# Altium PCB HAL.PcbDoc (continued)
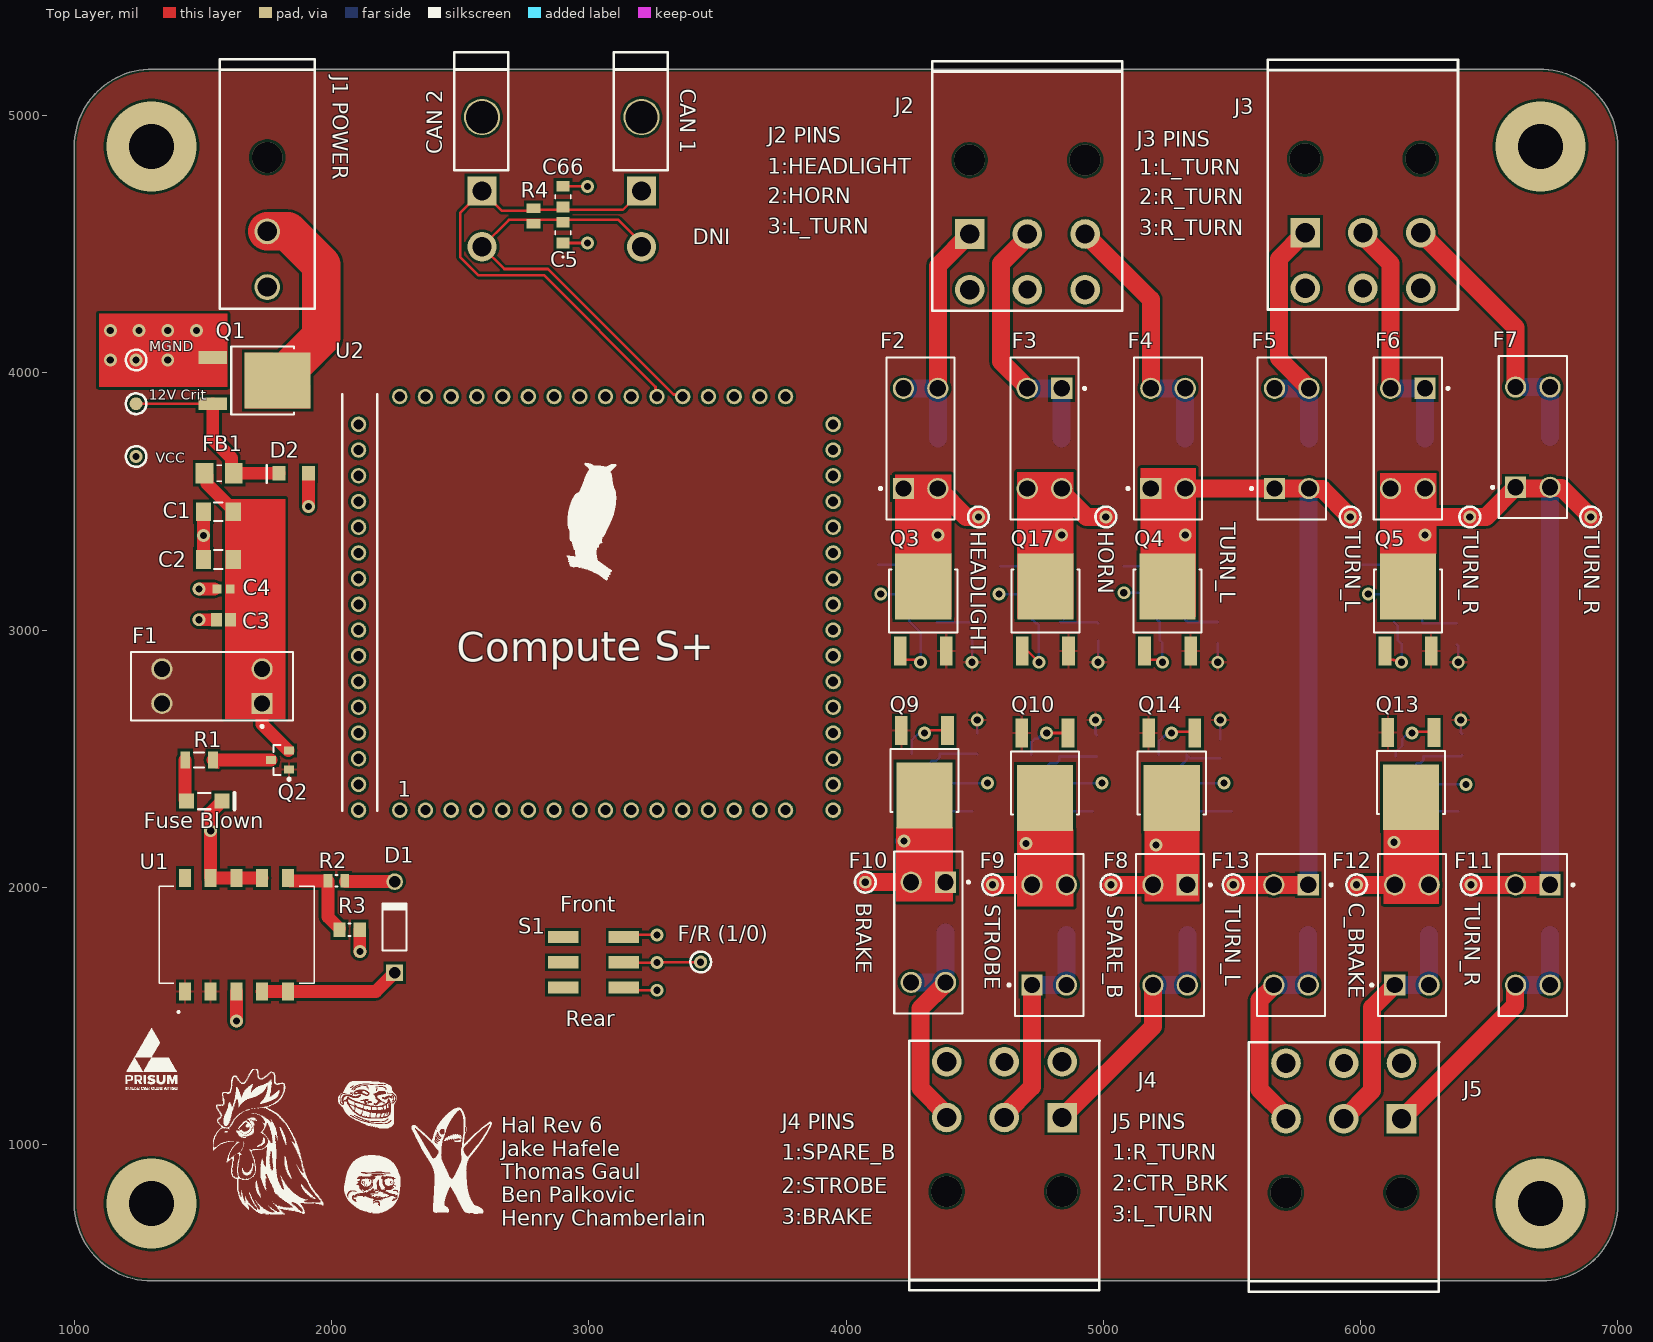
[diagram p0: Top Layer view]
## Components (designator, comment, footprint, x,y, rotation, side; value= is the part's Value field where it differs from the comment) (continued)
HORN "TURN_SIGNAL_R" EPAD 5010,3440 r0 top (schematic designator E9)
"J1 POWER" "12V_Main" MEGA_2P_2x1 1750,4333.46 r90 top (schematic designator J1)
J2 "FRONT" "PCBComponent_1 - duplicate" 4147.13,4209.69 r180 top
J3 "FRONT" "PCBComponent_1 - duplicate" 5451.54,4214.69 r180 top
J4 "BACK" "PCBComponent_1 - duplicate" 5173.46,1435.32 r0 top
J5 "BACK" "PCBComponent_1 - duplicate" 6492.87,1430.32 r0 top
MGND "MGND" EPAD 1240,4050 r0 top
Q1 "FDD4141" FP-369AS-MFG 1732.42,3970 r270 top
Q2 "IRLML6402TRPBF" INTR-SOT-23-3_V 1800,2495 r90 top
Q3 "FDD4141" FP-369AS-MFG 4300,3112.42 r0 top
Q4 "FDD4141" FP-369AS-MFG 5250,3112.42 r0 top
Q5 "FDD4141" FP-369AS-MFG 6185,3112.42 r0 top
Q6 "NTR4501NT1G" ONSC-SOT-23-3-318-08_V 4375,3210.75 r270 bottom
Q7 "NTR4501NT1G" ONSC-SOT-23-3-318-08_V 5307.6,3210.75 r270 bottom
Q8 "NTR4501NT1G" ONSC-SOT-23-3-318-08_V 6245,3210.75 r270 bottom
Q9 "FDD4141" FP-369AS-MFG 4305,2415 r180 top
Q10 "FDD4141" FP-369AS-MFG 4773.03,2405 r180 top
Q11 "NTR4501NT1G" ONSC-SOT-23-3-318-08_V 4257.4,2335.12 r90 bottom
Q12 "NTR4501NT1G" ONSC-SOT-23-3-318-08_V 4727.6,2335.12 r90 bottom
Q13 "FDD4141" FP-369AS-MFG 6196.06,2407.58 r180 top
Q14 "FDD4141" FP-369AS-MFG 5266.06,2405 r180 top
Q15 "NTR4501NT1G" ONSC-SOT-23-3-318-08_V 6150,2335.12 r90 bottom
Q16 "NTR4501NT1G" ONSC-SOT-23-3-318-08_V 5227.4,2335.12 r90 bottom
Q17 "FDD4141" FP-369AS-MFG 4775,3112.42 r0 top
Q18 "NTR4501NT1G" ONSC-SOT-23-3-318-08_V 4840,3210.75 r270 bottom
R1 "1k" RESC3216X70X40LL20T20 1485,2495 r180 top
R2 "33k" RESC2013X50X30LL20T20 2018.74,2025 r0 top
R3 "8.66k" RESC2013X60X35ML10T20 2070,1835 r180 top
R4 "120 Ohmn" RESC2013X50X40LL20T20 2785,4610 r90 top
R5 "10k" FP-RMCF0805-MFG 4485,2985 r270 bottom
R6 "10k" FP-RMCF0805-MFG 5445,2985 r270 bottom
R7 "10k" FP-RMCF0805-MFG 6375,2985 r270 bottom
R8 "1k" RESC3216X70X40LL20T20 4299.13,3030 r180 bottom
R9 "1k" RESC3216X70X40LL20T20 5260,3030 r180 bottom
R10 "1k" RESC3216X70X40LL20T20 6185.87,3030 r180 bottom
R11 "1k" RESC3216X70X40LL20T20 4235,3195 r90 bottom
R12 "1k" RESC3216X70X40LL20T20 5180,3195 r90 bottom
R13 "1k" RESC3216X70X40LL20T20 6115,3195 r90 bottom
R14 "10k" FP-RMCF0805-MFG 4251.34,3369.45 r0 bottom
R15 "10k" FP-RMCF0805-MFG 5193.66,3369.45 r0 bottom
R16 "10k" FP-RMCF0805-MFG 6133.66,3369.45 r0 bottom
R17 "10k" FP-RMCF0805-MFG 4975,2545 r90 bottom
R18 "10k" FP-RMCF0805-MFG 4510,2545 r90 bottom
R19 "1k" RESC3216X70X40LL20T20 4310,2510 r180 bottom
R20 "1k" RESC3216X70X40LL20T20 4775,2510 r180 bottom
R21 "1k" RESC3216X70X40LL20T20 4375,2350.87 r270 bottom
R22 "1k" RESC3216X70X40LL20T20 4845,2350.87 r270 bottom
R23 "10k" FP-RMCF0805-MFG 4328.66,2180 r180 bottom
R24 "10k" FP-RMCF0805-MFG 4805,2170 r180 bottom
R25 "10k" FP-RMCF0805-MFG 6395,2545 r90 bottom
R26 "10k" FP-RMCF0805-MFG 5450,2545 r90 bottom
R27 "1k" RESC3216X70X40LL20T20 6190.87,2510 r180 bottom
R28 "1k" RESC3216X70X40LL20T20 5270,2510 r180 bottom
R29 "1k" RESC3216X70X40LL20T20 6265,2350.87 r270 bottom
R30 "1k" RESC3216X70X40LL20T20 5345,2350.87 r270 bottom
R31 "10k" FP-RMCF0805-MFG 6253.66,2175 r180 bottom
R32 "10k" FP-RMCF0805-MFG 5323.66,2170 r180 bottom
R33 "10k" FP-RMCF0805-MFG 4980,2985 r270 bottom
R34 "1k" RESC3216X70X40LL20T20 4779.13,3030 r180 bottom
R35 "1k" RESC3216X70X40LL20T20 4710,3195 r90 bottom
R36 "10k" FP-RMCF0805-MFG 4730,3369.45 r0 bottom
R37 "CRCW06031M00FKEA" 0603_B 4125,3280 r270 bottom value=1M
R38 "CRCW06031M00FKEA" 0603_B 5080,3280 r270 bottom value=1M
R39 "CRCW06031M00FKEA" 0603_B 6000,3280 r270 bottom value=1M
R40 "CRCW06031M00FKEA" 0603_B 4490,2265 r90 bottom value=1M
R41 "CRCW06031M00FKEA" 0603_B 4960,2265 r90 bottom value=1M
R42 "CRCW06031M00FKEA" 0603_B 6380,2265 r90 bottom value=1M
R43 "CRCW06031M00FKEA" 0603_B 5500,2265 r90 bottom value=1M
R44 "CRCW06031M00FKEA" 0603_B 4600,3280 r270 bottom value=1M
S1 "Slide Switch" "DPDT Switch" 3018.11,1708.43 r270 top
SPARE_B "SPARE_B" EPAD 5030,2009.88 r0 top (schematic designator E15)
STROBE "STROBE" EPAD 4570,2009.88 r0 top (schematic designator E16)
TURN_L "TURN_SIGNAL_L" EPAD 5960,3440 r0 top (schematic designator E21)
TURN_L "TURN_SIGNAL_L" EPAD 5505,2009.88 r0 top (schematic designator E12)
TURN_R "TURN_SIGNAL_R" EPAD 6430,2009.88 r0 top (schematic designator E14)
TURN_R "HORN" EPAD 6425,3440 r0 top (schematic designator E13)
TURN_R "TURN_SIGNAL_R" EPAD 6895,3440 r0 top (schematic designator E19)
U1 "5v Switching Reg" 10-SMD 1630,1815.47 r90 top
U2 "S+" "Compute S+" 2265,2300 r0 top
VCC "VCC" EPAD 1240,3675 r0 top

## Footprints (in the part's own frame and the unit in brackets; to place one, negate y for a bottom-side part, rotate by r counter-clockwise, add the part's x,y. Pads: shape width x height; smd on the part's side, far side on the other; paste and mask are expansions set on the pad)
10-SMD [mm]
  rect 1.8x1.2 smd: 1(-5.6,5.08) 2(-5.6,2.54) 3(-5.6,0) 4(-5.6,-2.54) 5(-5.6,-5.08) 6(5.6,-5.08) 7(5.6,-2.54) 8(5.6,0) 9(5.6,2.54) 10(5.6,5.08)
  silkscreen extent -7.72,-7.68 4.8,7.62
80_FB_1206 [mm]
  rect 1.76x2.06 smd: 1(-1.445,0) 2(1.445,0)
  silkscreen extent -0.25,-0.8 0.25,0.8
0603_B [mm] "0603 Style B SMT resistor"
  rect 1x0.96 smd mask+0.064: 1(-0.8,0) 2(0.8,0)
  silkscreen extent -0.23,-0.53 0.22,0.52, body extent -0.8,-0.4 0.8,0.4, height 0.45
AVAG-HSMX-C150_V [mm] "SMD, 2-Leads, Body 3.2x1.6mm"
  rect 1.5x1.5 smd: 1(-1.75,0) 2(1.75,0)
  silkscreen extent -0.6,-0.8 3,0.8, body extent -1.6,-0.8 1.6,0.8, height 1.1
CAP_CL21_SAM-M [mil]
  rect 41.69x51.21 smd paste+0 mask+0: 1(-40.53,0) 2(40.53,0)
  silkscreen extent -97,-30 7,30, body extent -39,-25 39,25, height 53
CAPC1608X90X35LL15T15 [mm] "Chip Capacitor, 2-Leads, Body 1.60x0.81mm, IPC High Density"
  rect 0.85x0.9 smd: 1(-0.65,0) 2(0.65,0)
  body extent -0.88,-0.48 0.87,0.48, height 0.9
CAPC2013X140X50LL20T25 [mm] "Chip Capacitor, 2-Leads, Body 2.00x1.25mm, IPC High Density"
  rect 1.1x1.35 smd: 1(-0.7,0) 2(0.7,0)
  body extent -1.1,-0.72 1.1,0.72, height 1.4
"Compute S+" [mil]
  round 60 hole 39.37: CANH(1000,1607.95) CANL(1100,1607.95) GND(-160,900) GND(100,1607.95) GND(600,0) GND(900,1607.95) GND(1685,600) GND(1685,1400) PA00(-160,1500) PA01(-160,1400) PA02(-160,1300) PA03(-160,1200) PA04(-160,300) PA05(-160,200) PA06(-160,100) PA07(-160,0) PA08(0,0) PA09(100,0) PA10(200,0) PA11(300,0) PA12(1200,0) PA13(1300,0) PA14(1400,0) PA15(1500,0) PA16(1685,0) PA17(1685,100) PA18(1685,200) PA19(1685,300) PA20(1685,800) PA21(1685,900) PA22(1685,1000) PA23(1685,1100) PA24(1685,1200) PA25(1685,1300) PA27(1500,1607.95) PA28(1400,1607.95) PA30(1300,1607.95) PA31(1200,1607.95) PB00(500,1607.95) PB01(400,1607.95) PB02(300,1607.95) PB03(200,1607.95) PB04(-160,1100) PB05(-160,1000) PB06(-160,700) PB07(-160,600) PB08(-160,500) PB09(-160,400) PB10(400,0) PB11(500,0) PB12(800,0) PB13(900,0) PB14(1000,0) PB15(1100,0) PB16(1685,400) PB17(1685,500) PB30(700,1607.95) PB31(600,1607.95) VDD(-160,800) VDD(0,1607.95) VDD(700,0) VDD(800,1607.95) VDD(1685,700) VDD(1685,1500)
  silkscreen extent -224,-2 842,1617, body extent -261,-84 1774,1726, height 549
DIOD-DO-41-P-2_V [mm] "2-Leads, Axial Lead, Body 4.635x2.36mm, Pin Spacing 9mm"
  rect 1.65x1.65 hole 1.15: 1(-4.5,0)
  round 1.65 hole 1.15: 2(4.5,0)
  silkscreen extent -2.32,-1.18 2.32,1.18, body extent -4.93,-1.18 4.93,1.18, height 2.35
"DPDT Switch" [mm]
  rect 1.2x3 smd: 1(-2.5,-3) 2(0,-3) 3(2.5,-3) 4(2.5,3) 5(0,3) 6(-2.5,3)
  body extent -4.25,-2.5 4.25,2.5, height 5.5
EPAD [mil]
  round 50 smd: 1(0,0)
  silkscreen extent -40,-40 40,40
FP-369AS-MFG [mm]
  rect 1.25x2.85 smd paste+0 mask+0: 1(-2.28,-4.938) 3(2.28,-4.938)
  rect 5.55x6.5 smd paste+0 mask+0: 4(0,1.462)
  silkscreen extent -3.36,-3.11 3.36,3.11, body extent -3.46,-6.46 3.46,4.81, height 0.25
FP-CL31-IPC_A [mil]
  rect 59.27x73.16 smd paste+0 mask+0: 1(-58.12,0) 2(58.12,0)
  silkscreen extent -17,-37 17,37, body extent -107,-56 107,56, height 10
FP-RMCF0805-MFG [mm]
  rect 0.9x1.3 smd paste+0 mask+0: 1(-1.05,0) 2(1.05,0)
  silkscreen extent -0.23,-0.67 0.23,0.67, body extent -1,-0.63 1,0.63, height 0.65
INTR-SOT-23-3_V [mm] "SOT23, 3-Leads, Body 2.92x1.3mm, Pitch 1.9mm"
  rect 0.802x0.972 smd: 1(-0.95,-0.885) 2(0.95,-0.885) 3(0,0.885)
  silkscreen extent -2.03,-1.01 1.46,0.64, body extent -1.46,-0.65 1.46,0.65, height 1.12
KSTN-3568_V [mm] "THD, 4-Leads, Body 16x6.73mm, Pitch 9.9mm"
  rect 2.1x2.1 hole 1.6: 1(-4.95,1.7)
  round 2.1 hole 1.6: 2(-4.95,-1.7) 3(4.95,1.7) 4(4.95,-1.7)
  silkscreen extent -8,-3.36 8,4.09, body extent -8,-3.37 8,3.37, height 7.44
MEGA_2P_2x1 [mm]
  round 2.54 hole 1.905: 1(0,0) 2(5.5,0)
  silkscreen extent -2.16,-4.7 22.48,4.7, body extent -0.64,-4.16 21.33,4.19, height 14.06
"Mini-Fit Jr. 2" [mm]
  rect 2.9x2.9 hole 1.9: 1(0,3)
  round 2.9 hole 1.9: 2(0,8.5)
  round 3.578 hole 3.2: 3(0,-4.3)
  silkscreen extent -2.6,-10.7 2.73,0.95, body extent -2.7,-10.9 3.1,9.03, height 11.4
ONSC-SOT-23-3-318-08_V [mm] "SOT23, 3-Leads, Body 2.92x1.3mm, Pitch 0.95mm"
  rect 0.9x0.8 smd: 1(-1,0.95) 2(-1,-0.95) 3(1,0)
  silkscreen extent -1.12,-1.46 0.65,2.02, body extent -0.65,-1.46 0.65,1.46, height 1.11
"PCBComponent_1 - duplicate" [mil]
  rect 115x115 hole 75: 1(-333.46,-330.31)
  round 115 hole 75: 2(-557.87,-330.31) 3(-782.28,-330.31) 4(-333.46,-113.78) 6(-782.28,-113.78)
  round 115 hole 70: 5(-557.87,-113.78)
  silkscreen extent -927,-1002 -187,-32, body extent -908,-956 -209,-92, height 594
RESC2013X50X30LL20T20 [mm] "Chip Resistor, 2-Leads, Body 2.00x1.25mm, IPC High Density"
  rect 0.85x1.35 smd: 1(-0.825,0) 2(0.825,0)
  silkscreen extent -0.1,-0.58 0.1,0.58, body extent -1.1,-0.72 1.1,0.72, height 0.5
RESC2013X50X40LL20T20 [mm] "Chip Resistor, 2-Leads, Body 2.00x1.25mm, IPC High Density"
  rect 0.95x1.35 smd: 1(-0.775,0) 2(0.775,0)
  body extent -1.1,-0.72 1.1,0.72, height 0.5
RESC2013X60X35ML10T20 [mm] "Chip Resistor, 2-Leads, Body 2.00x1.25mm, IPC Low Density"
  rect 1.2x1.45 smd: 1(-1,0) 2(1,0)
  silkscreen extent -0.1,-0.63 0.1,0.63, body extent -1.05,-0.67 1.05,0.67, height 0.6
RESC3216X70X40LL20T20 [mm] "Chip Resistor, 2-Leads, Body 3.20x1.60mm, IPC High Density"
  rect 0.95x1.7 smd: 1(-1.375,0) 2(1.375,0)
  silkscreen extent -0.5,-0.75 0.5,0.75, body extent -1.7,-0.9 1.7,0.9, height 0.7
"TVS DIODE 12.4V 20.1V DO219AB" [mil]
  rect 51x55 smd: 3(-57,0) 4(58,0)
  silkscreen extent -104,-36 -104,31

## Part data
"12V Crit" BRAKE C_BRAKE "F/R (1/0)" HEADLIGHT HORN MGND SPARE_B STROBE TURN_L TURN_L TURN_R TURN_R TURN_R VCC: library part EPAD, "Pad for probing signals"
C1 C2: library part CMP-13271-002819-1, "Cap Ceramic 10uF 16V X5R ±10% SMD 1206 +85°C Embossed T/R", Capacitance=10uF, Case Code (Imperial)=1206, Case Code (Metric)=3216, Dielectric=X5R, Max Operating Temperature=85°C, Min Operating Temperature=-55°C, Tolerance=10%, Voltage=16V, Case/Package=1206, Contact Plating=Tin, Depth=1.6mm, Height=1.6mm, Lead Free="Lead Free", Length=3.2mm, Material=Ceramic, Mount="Surface Mount", Packaging="Tape and Reel", Radiation Hardening=No, Thickness=0.071inch, Voltage Rating=16V, Voltage Rating (DC)=16V, Width=0.063inch
C3: library part CMP-2007-04740-1, Manufacturer="AVX Interconnect / Elco", Part Number=08051C104M4Z2A
C4: library part CMP-2006-04438-1, Manufacturer="AVX Interconnect / Elco", Part Number=06035C472K4T4A
C5 C66: library part CL21C100CBANNNC, "No Description Available", Mfr_Name=Samsung, Copyright="Copyright (C) 2021 Ultra Librarian. All rights reserved.", Digi-Key_Part_Number_1=1276-2561-2-ND, Digi-Key_Part_Number_2=1276-2561-1-ND, Digi-Key_Part_Number_3=1276-2561-6-ND, Manufacturer_Part_Number=CL21C100CBANNNC, RefDes=RefDes, Type=DEV
"CAN 1" "CAN 2": library part "Mini-Fit Jr. 2-pin", "Mini-Fit Jr. 2-pin Right Angle Mini-Fit Jr. 2-pin", Color=Natural, Manufacturer="Molex Inc", Manufacturer Part Number=0039300020, Category="Connectors, Interconnects", ComponentLink1Description=http://www.molex.com/pdm_docs/sd/039300020_sd.pdf, ComponentLink1URL=http://www.molex.com/pdm_docs/sd/039300020_sd.pdf, Connector Type="Header, Shrouded", Contact Finish=Tin, Contact Finish Thickness="200µin (5.08µm)", Contact Mating Length=-, Contact Type="Male Pin", Datasheet=http://www.molex.com/pdm_docs/sd/039301020_sd.pdf, Fastening Type="Locking Ramp", Features="Board Lock", Mounting Type="Through Hole, Right Angle", Number of Positions=2, Number of Positions Loaded=All, Number of Rows=2, Ordering=http://search.digikey.com/scripts/DkSearch/dksus.dll?Detail&name=WM1351-ND, Packaging=Tray, Pitch=-, Pricing 1="1=0.77, 10=0.674, 50=0.6078, 100=0.5815, 250=0.5286, 500=0.47574, 1000=0.42288, 2500=0.38324, 5000=0.37002 (USD)", RoHS="RoHS Compliant", Row Spacing="0.165\" (4.20mm)", Stock 1=371, Supplier 1=Digi-Key, Termination=Solder
D1: library part CMP-0639-00006-2, "1.0 A Rectifier, 15 pF, 50 V, -65 to 150 degC, 2-Pin DO-41 Plastic, RoHS, Tape and Reel", Manufacturer="Diodes Inc", Max. Average Rectified Current IO (A)=1, Operating Temperature Range (degC)="-65 to 150", ComponentLink1Description="Manufacturer URL", ComponentLink1URL=http://diodes.com/, ComponentLink2Description=Datasheet, ComponentLink2URL=http://diodes.com/datasheets/ds28002.pdf, CT (pF)=15, DatasheetVersion="Rev. 8-2", Max. IFSM (A)=30, Max. IR (uA)=5, Mounting Technology="Through Hole", PackageDescription="2-Pin Axial Lead, Body 4.635 x 2.36 mm, Lead Spread 25.4 mm", PackageReference=DO-41-P-2, Packing="Tape and Reel", PartNumber=1N4001-T, RoHS=TRUE, VF (V)=1, VRRM (V)=50
F1 F2 F3 F4 F5 F6 F7 F8 F9 F10 F11 F12 F13: library part CMP-2000-05464-1, "Fuse Holder, 20 A, 500 V, -50 to 145 degC, 4-Pin THD, RoHS", Manufacturer=Keystone, Package Description="4-Pin Through Hole Device, Body 16 x 6.73 mm, Pitch 9.9 mm", Datasheet URL=https://datasheet.ciiva.com/16294/m60-2p40-16294706.pdf, Datasheet Version=04/2013, Manufacturer URL=http://www.keyelco.com/, Mounting Technology=ThroughHole, Package Reference=3568
FB1: library part 80_FB_1206, "Ferrite Chip, 1 Function(s), 3A, 2 Pin(s)", Case Code=1206, Current Rating=3A, DC Resistance-Max=35mR, Manufacturer="Laird Steward", Manufacturer Series=HI, Max Frequency=100MHz, Max Operating Temperature=125°C, Min Operating Temperature=-55°C, Package="1206 Laird-Signal Integrity", Supplier Part Number 1=240-2409-1-ND, Category="Fixed Inductors", Check_prices=https://www.snapeda.com/parts/HI1206N800R-10/Laird-Signal%20Integrity%20Products/view-part/296889/?ref=eda, ComponentLink1Description=https://datasheet.ciiva.com:443/pdfs/VipMasterIC/IC/STWD/STWDS00332/STWDS00332-1.pdf?src-supplier=IHS+Markit, ComponentLink1URL=https://datasheet.ciiva.com:443/pdfs/VipMasterIC/IC/STWD/STWDS00332/STWDS00332-1.pdf?src-supplier=IHS+Markit, ComponentLink2Description=https://datasheet.ciiva.com/3081/hi1206n800r-10-a-vp-3081809.pdf?src-supplier=Avnet, ComponentLink2URL=https://datasheet.ciiva.com/3081/hi1206n800r-10-a-vp-3081809.pdf?src-supplier=Avnet, ComponentLink3Description=https://datasheet.ciiva.com/22622/1685745-22622768.pdf?src-supplier=Element14, ComponentLink3URL=https://datasheet.ciiva.com/22622/1685745-22622768.pdf?src-supplier=Element14, ComponentLink4Description=https://datasheet.ciiva.com/16714/70065439-16714107.pdf?src-supplier=Allied+Electronics, ComponentLink4URL=https://datasheet.ciiva.com/16714/70065439-16714107.pdf?src-supplier=Allied+Electronics, Construction="Chip Bead", Digi-Key_Part_Number=240-2409-1-ND, Filter Type="FERRITE CHIP", Height=1.1mm, JESD-609 Code=e3, Length=3.2mm, Manufacturer Part Number=HI1206N800R-10, Material=Ferrite, MF="Laird-Signal Integrity", Min Frequency=100MHz, Mount="Surface Mount", MP=HI1206N800R-10, Number of Functions=1, Output Impedance=80R, Packaging="Tape and Reel", Pricing 1="1=0.23000, 10=0.18500, 25=0.14400, 50=0.11920, 100=0.10280, 250=0.08220, 500=0.07400, 1000=0.06166 (USD)", Purchase-URL=https://pricing.snapeda.com/search/part/HI1206N800R-10/?ref=eda, REACH SVHC="No SVHC", RoHS=Yes, RoHS Compliant=Yes, Series=HI1206N800R, SnapEDA_Link=https://www.snapeda.com/parts/HI1206N800R-10/Laird-Signal%20Integrity%20Products/view-part/296889/?ref=snap, Stock 1=9365, Supplier 1=Digi-Key, Terminal Finish=Nickel, Width=1.6mm
"Fuse Blown": library part CMP-2000-06426-1, "LED Uni-Color Red, 65 mW, 25 mA, -40 to 85 degC, 2-Pin SMD, RoHS, Tape and Reel", Emitting Color=Red, Forward Current=25mA, Forward Voltage=2.6V, Manufacturer=Avago, Operating Temp Range=-40Cto85C, Operating Temperature Classification=Industrial, Package Description="2-Pin Surface Mount Device, Body 3.2 x 1.6 mm", Package Reference=HSMX-C150, Package Type=ChipLed, Power Dissipation=78W, Reverse Voltage=5V, Test Current (It)=20mA, Chip Material=GaAlAs, Datasheet URL=http://media.digikey.com/pdf/Data%20Sheets/Avago%20PDFs/HSMz-Czzz.pdf, Datasheet Version=03/2012, DELETED=Compliant, Dominant Wave Length=639nm, High Brightness=No, Lens Dimensions=2x1.6x0.6mm, Lens Type=ColorlessDiffused, Lum Intensity=17mcd, Luminous Intensity=17mcd, Main Category=ChipLED, Manufacturer URL=http://www.avagotech.com/, Mounting=SurfaceMount, Mounting Technology=SurfaceMount, Number of  Elements=1, Packaging=TapeandReel, Peak Wavelength=660nm, Pin Count=2, Product Depth (mm)=1.6mm, Product Height (mm)=1.1mm, Product Length (mm)=3.2mm, Rad Hardened=No, Shape Type=Rectangular, Type=Uni-Color, Viewing Angle=170deg
"J1 POWER": library part MEGA_2P_2x1, "MOLEX - 76825-0002 - Wire-To-Board Connector, 2 Contacts, Header, Mega-Fit 76825 Series, Through Hole, 2 Rows", DigiKey Part Number=WM11969-ND, Manufacturer=Molex, Manufacturer Part Number=0768250002, Category="Headers and Wire Housings", ComponentLink1Description=http://www.farnell.com/datasheets/2216551.pdf?src-supplier=Farnell, ComponentLink1URL=http://www.farnell.com/datasheets/2216551.pdf?src-supplier=Farnell, ComponentLink2Description=https://www.molex.com/pdm_docs/sd/768250002_sd.pdf?src-supplier=Digi-Key, ComponentLink2URL=https://www.molex.com/pdm_docs/sd/768250002_sd.pdf?src-supplier=Digi-Key, ComponentLink3Description=http://www.farnell.com/datasheets/2216551.pdf?src-supplier=Newark, ComponentLink3URL=http://www.farnell.com/datasheets/2216551.pdf?src-supplier=Newark, Pricing 1="1=1.31000, 10=1.08200, 80=0.90150, 1850=0.67615, 3700=0.65361 (USD)", RoHS=Yes, SchematicInformation=MegaFit_2P, Stock 1=16040, Supplier 1=Digi-Key, Supplier Part Number 1=WM11969-ND
J2 J3 J4 J5: library part "6 pin Megafit", "768250006-https://www.digikey.com/en/products/detail/molex/0768250006/5639613?s=N4IgTCBcDaIOwDYAcYCsAGTCQF0C%2BQA", ComponentLink1Description="New link", ComponentLink1URL=*https://www.digikey.com/en/products/detail/molex/0768250006/5639613?s=N4IgTCBcDaIOwDYAcYCsAGTCQF0C%2BQA
Q1 Q3 Q4 Q5 Q9 Q10 Q13 Q14 Q17: library part CMP-07173-000088-1, "MOSFET P-CH 40V 10.8A DPAK", Continuous Drain Current=-10.8A, Drain To Source Breakdown Voltage=-40V, Drain To Source Resistance=10.1mΩ, Gate To Source Voltage=20V, Input Capacitace At Vds="2085pF @ -20V", Manufacturer="ON Semiconductor", Max Forward Diode Voltage=-1.2V, Max Junction Temp=+150°C, Package=369AS, Power Dissipation=2.4W, Pulse Drain Current=-100A, Temperature="-55°C to +150°C", Temperature Range Low=-55°C, Typ Forward Diode Voltage=-0.8V, Automotive=No, Category=Diode, ComponentLink2Description=Datasheet, ComponentLink2URL=https://www.onsemi.com/pub/Collateral/FDD4141-D.pdf, Depletion Mode=False, Device Class L1="Discrete Semiconductors", Device Class L2=Transistors, Device Class L3=MOSFETs, Digikey Description="MOSFET P-CH 40V 10.8A DPAK", Drain To Source Voltage=-40V, Footprint Url=https://www.onsemi.com/pub/Collateral/369AS.PDF, Gate Charge At Vgs="36nC @ -10V", Height=2.517mm, Lead Free=Yes, Manufacturer Part Number=FDD4141, Mouser Description="MOSFET -40V P-Channel PowerTrench", Number Of Channels=1, Number Of P Channels=1, Octopart=https://octopart.com/fdd4141-on+semiconductor-84325802, Reverse Recovery Charge=26nC, Reverse Recovery Time=29ns, RoHS=TRUE, Rthja Max=52°C/W, Temperature Range High=+150°C, Threshold Vgs Max=-3V, Threshold Vgs Min=-1V, Transconductance=38S, Turn Off Delay Time=38ns, Turn On Delay Time=10ns
Q2: library part CMP-2000-04987-1, "HEXFET(R) Power P-Channel MOSFET, -20 V, -3.7 A, -55 to 150 degC, 3-Pin SOT-23, RoHS, Tape and Reel", Drain-Source On Resistance-Max=0.065O, Drain-to-Source Voltage [Vdss]=20V, Manufacturer="International Rectifier", Package Description="3-Pin Small Outline Transistor, Body 2.92 x 1.3 mm, Pitch 0.95 mm", Package Reference=SOT-23-3, Rated Power Dissipation=1.3W, Channel Type=P-Channel, Datasheet URL=http://datasheet.octopart.com/IRLML6402TRPBF-International-Rectifier-datasheet-93882.pdf, Datasheet Version=Feb-05, Manufacturer URL=http://internationalrectifier.com/, Qg Gate Charge=8nC
Q6 Q7 Q8 Q11 Q12 Q15 Q16 Q18: library part CMP-1058-00732-1, "Power MOSFET, 20 V, 3.2 A, Single N-Channel, 3-Pin SOT-23, Pb-Free, Tape and Reel", Manufacturer="On Semiconductor", Package Type=SOT-23-3, Channel Polarity="N Channel", Ciss Typ (pF)=200, ComponentLink1Description="Manufacturer URL", ComponentLink1URL=http://www.onsemi.com/, ComponentLink2Description=Datasheet, ComponentLink2URL=http://www.onsemi.cn/pub_link/Collateral/NTR4501N-D.PDF, ComponentLink3Description="Package Specification", ComponentLink3URL=http://www.onsemi.cn/pub_link/Collateral/318-08.PDF, Configuration=Single, Coss Typ (pF)=80, Crss Typ (pF)=50, DatasheetVersion="Rev. 13", Mounting Technology="Surface Mount", PackageDescription="3-Pin Small Outline Transistor, Body 2.92 x 1.3 mm, Pitch 0.95 mm", PackageReference=SOT-23-3-318-08, PackageVersion="Rev. AP, 11/2009", Packing="Tape and Reel", PartNumber=NTR4501NT1G, PD Max (W)=1.25, Qrr Typ (nC)=3, RoHS=Pb-Free, V(BR)DSS Min (V)=20, VGS Max (V)=12, VGS(th) Max (V)=1.2
R1 R8 R9 R10 R11 R12 R13 R19 R20 R21 R22 R27 R28 R29 R30 R34 R35: library part CMP-2003-04517-1, "RK73B2BTTD102J", Manufacturer="KOA Speer", Part Number=RK73B2BTTD102J
R2: library part CMP-2001-03828-1, "CRCW080533K0JNEA", Manufacturer="Vishay Dale", Part Number=CRCW080533K0JNEA
R3: library part CMP-2001-01296-1, "RC0805FR-078K66L", Manufacturer=Yageo, Part Number=RC0805FR-078K66L
R4: library part CMP-2001-03236-1, "RR1220P-121-D", Manufacturer=Susumu, Part Number=RR1220P-121-D
R5 R6 R7 R14 R15 R16 R17 R18 R23 R24 R25 R26 R31 R32 R33 R36: library part CMP-26527-000121-1, "RES 10K OHM 1% 1/8W 0805", Case Code (Imperial)=0805, Case Code (Metric)=2012, Max Operating Temperature=155°C, Max Power Dissipation=125mW, Min Operating Temperature=-55°C, Resistance=10kR, Resistor Type="Thick Film", Temperature Coefficient=100ppm/°C, Tolerance=1%, Case/Package=0805, Construction=Rectangular, Contact Plating=Tin, Depth=1.25mm, Features="Automotive AEC-Q200", Height=0.026inch, Lead Free="Lead Free", Length=2mm, Military Standard=Not, Mount="Surface Mount", Number of Terminations=2, Packaging="Tape and Reel", Power Rating=125mW, Radiation Hardening=No, RoHS Compliant=Yes, Series=RMCF, Size Code=0805, Width=0.049inch
R37 R38 R39 R40 R41 R42 R43 R44: "0603 1MOhm resistor", ComponentLink1Description=datasheet, ComponentLink1URL=http://www.vishay.com/doc?20035, supplier1=http://search.digikey.com/scripts/DkSearch/dksus.dll?Detail&name=541-1.00MHCT-ND
U1: library part 18/6.5V_5V_1A_SWITCH_10-SMD, "DC-DC Regulated Power Supply Module, 1 Output, 5W, Hybrid", Manufacturer=Recom, Manufacturer Part Number=R-78AA5.0-1.0SMD-R, Max Input Voltage=18V, Max Operating Temperature=85°C, Max Output Current=1A, Min Input Voltage=6.5V, Min Operating Temperature=-40°C, Nominal Output Voltage=5V, Package="SMD-10 Recom Power", Package Body Material=Plastic, Package Code=SOP, Package Shape=Rectangular, Package Style="SMALL OUTLINEMeter", Supplier Part Number 1=945-1044-1-ND, Temperature Grade=INDUSTRIAL, Analog IC - Other Type="DC-DC REGULATED POWER SUPPLY MODULE", BuyPart=https://www.snapeda.com/parts/R-78AA5.0-1.0SMD-R/Recom%20Power/view-part/480105/?ref=eda, Category="Voltage Regulators - Switching", ComponentLink1Description=https://datasheet.ciiva.com:443/pdfs/VipMasterIC/IC/RECG/RECG-S-A0007788603/RECG-S-A0007788603-1.pdf?src-supplier=IHS+Markit, ComponentLink1URL=https://datasheet.ciiva.com:443/pdfs/VipMasterIC/IC/RECG/RECG-S-A0007788603/RECG-S-A0007788603-1.pdf?src-supplier=IHS+Markit, ComponentLink2Description=https://datasheet.ciiva.com/2374/r-78aaxx-1-0smd-2374214.pdf?src-supplier=Digi-Key, ComponentLink2URL=https://datasheet.ciiva.com/2374/r-78aaxx-1-0smd-2374214.pdf?src-supplier=Digi-Key, ComponentLink3Description=https://datasheet.ciiva.com/2374/r-78aaxx-1-0smd-2374215.pdf?src-supplier=Digi-Key, ComponentLink3URL=https://datasheet.ciiva.com/2374/r-78aaxx-1-0smd-2374215.pdf?src-supplier=Digi-Key, ComponentLink4Description=https://datasheet.ciiva.com/2374/r-78aaxx-1-0smd-2374216.pdf?src-supplier=Digi-Key, ComponentLink4URL=https://datasheet.ciiva.com/2374/r-78aaxx-1-0smd-2374216.pdf?src-supplier=Digi-Key, Digi-Key_Part_Number=945-1044-1-ND, DigiKey=945-1044-2-ND, DigiKey-Purchase-URL=https://snapeda.com/shop?store=DigiKey&id=480105, MF="Recom Power", Mouser-Purchase-URL=https://snapeda.com/shop?store=Mouser&id=480105, MP=R-78AA5.0-1.0SMD-R, Number of Pins=10, Pricing 1="1=9.84000, 5=9.75800, 10=9.68300, 25=9.53440, 50=9.23640, 100=8.43000 (USD)", Qualification Status="Not Qualified", REACH SVHC=Yes, RoHS=Yes, RoHS Compliant=Yes, SnapEDA_Link=https://www.snapeda.com/parts/R-78AA5.0-1.0SMD-R/Recom%20Power/view-part/480105/?ref=snap, Stock 1=5089, Supplier 1=Digi-Key, Surface Mount=Yes, Terminal Form="Gull Wing", Terminal Pitch=2.54mm, Terminal Position=DUAL
U2: "Need to get 4 of PPPC161LFBN-RC", Datasheet=https://media.digikey.com/pdf/Data%20Sheets/Sullins%20PDFs/Female_Headers.100_DS.pdf, Digi-Key=https://www.digikey.com/product-detail/en/sullins-connector-solutions/PPPC161LFBN-RC/S7049-ND/810188
D2 D3 D4 D5 D6 D7 D8 D9 D10 D11 D12 D13 D14: ComponentLink1Description=Digikey, ComponentLink1URL=https://www.digikey.com/product-detail/en/vishay-semiconductor-diodes-division/VTVS12ASMF-M3-08/112-VTVS12ASMF-M3-08CT-ND/7055981, ComponentLink2Description=Datasheet, ComponentLink2URL=http://www.vishay.com/docs/85891/vtvs3v3asmf.pdf

## Via types
v1: diameter 50, hole 28, Top Layer to MGND (Bottom), 64 vias
v2: diameter 120.08, hole 120.08, Top Layer to MGND (Bottom), 9 vias
v3: diameter 350, hole 175, Top Layer to MGND (Bottom), 4 vias

## Nets (pads, with @x,y where several pads share a name; then routed paths per layer and width w, separated by ;. In a path a pad name is that pad's centre, name@x,y a point inside that pad or via, vN(x,y) a via of type N, cw(c..) or ccw(c..) an arc to the next point about the centre after c; other vN are vias at no path point)
+12V: F1.3 F1.4 Q2.1 Q3.3 Q4.3 Q5.3 Q9.3 Q10.3 Q13.3 Q14.3 Q17.3 R5.2 R6.2 R7.2 R17.2 R18.2 R25.2 R26.2 R33.2 U1.1 U1.2 | length 530.3
  MGND (Bottom) w10: 4485,2963.66 4490,2958.66 4490,2900 ; R18.2@4510,2600 v1@4510,2660 ; v1@4970,2655 4970,2596.34 R17.2@4975,2591.34 ; v1@4980,2895 R33.2@4980,2958.66 ; v1@5445,2885 R6.2@5445,2948.66 ; R26.2@5455,2575 v1(5455,2650) ; R7.2 6380,2938.66 v1(6380,2875) ; v1@6390,2660 6390,2601.34 R25.2@6395,2596.34
  other v1: 4510,2650 4970,2650 6390,2650 4490,2875 4980,2875 5445,2875
BRAKE: BRAKE.1 F10.1 F10.2 Q9.4 R23.2 | length 240.4
  Top Layer w70: v1(4075,2019.88) F10.2
  MGND (Bottom) w70: v1(4225,2180) R23.2
BRAKE_CTRL: R21.1 U2.PB16 | length 1104.4
  MGND w10: U2.PB16 3959.32,2709.32 3984.32,2709.32 4020,2745 4500,2745 4550,2695 v1(4550,2405)
  MGND (Bottom) w10: R21.1 v1(4550,2405)
CANH: "CAN 1.1" "CAN 2.1" C66.2 R4.2 U2.CANH | length 1996.8
  Top Layer w10: C66.2@2897.38,4647.09 2884.16,4633.87 2791.65,4633.87 R4.2 2774.49,4630 2661.89,4630 2585,4706.89 2500,4621.89 2500,4450 2570,4380 2825,4380 3259.2,3945.8 3259.2,3913.75 U2.CANH ; C66.2 2910.61,4633.87 3131.98,4633.87 3205,4706.89
CANL: "CAN 1.2" "CAN 2.2" C5.2 R4.1 U2.CANL | length 1770.1
  Top Layer w10: R4.1@2774.49,4590 R4.1 ; 3205,4490.35 3205,4505 3115,4595 2909.47,4595 C5.2 2890.53,4595 2774.49,4595 2689.65,4595 2585,4490.35 2671.45,4403.9 2841.09,4403.9 3329.2,3915.8 3357.16,3915.8 U2.CANL
  MGND (Bottom) w10: U2.CANL U2.CANL@3365,3918.81
CENTER_BRAKE: C_BRAKE.1 F12.3 F12.4 Q13.4 R31.2 | length 230.4
  Top Layer w70: v1(5985,2009.88) F12.3
  MGND (Bottom) w70: v1(6130,2175) R31.2
CENTER_BRAKE_CTRL: R29.1 U2.PA21 | length 3010.7
  MGND w10: U2.PA21 3963.53,3200 3977.85,3185.68 3979.32,3185.68 4105,3060 4105,2983.28 4253.28,2835 6021.57,2835 6410,2446.57 v1(6410,2400)
  MGND (Bottom) w10: R29.1 6270,2400 v1(6410,2400)
"F/R Selecter": "F/R (1/0).1" S1.5 U2.PA19 | length 1918.4
  Top Layer w10: S1.5 3137.15,1707.5 v1(3265,1707.5) 3266.25,1708.75 v1(3433.75,1708.75) v1@3435,1710
  MGND w10: v1(3265,1707.5) 3267.5,1710 3930,1710 4015,1795 4015,2535 U2.PA19
HEADLIGHT: F2.1 F2.2 HEADLIGHT.1 Q3.4 R14.2 | length 348.7
  Top Layer w70: Q3.4@4300,3190 Q3.4@4356.93,3246.93 ; F2.2 4467.05,3440 v1(4515,3440)
  MGND (Bottom) w70: R14.2 4356.38,3369.45 v1(4356.93,3370)
HEADLIGHT_CTRL: R11.1 U2.PA22 | length 351.6
  MGND w10: U2.PA22 3959.32,3290.68 3984.32,3290.68 v1(4135,3140)
  MGND (Bottom) w10: v1(4135,3140) 4234.13,3140 R11.1
HORN: F3.3 F3.4 HORN.1 Q17.4 R36.2 | length 292.1
  Top Layer w70: F3.3 4840.73,3547.69 4840.73,3534.27 4935,3440 v1(5010,3440)
  MGND (Bottom) w70: R36.2 v1(4838.31,3369.45)
HORN_CTRL: R35.1 U2.PA23 | length 936.7
  MGND w10: U2.PA23 3950,3405 3990,3445 4338.5,3445 4595,3188.5 v1(4595,3140)
  MGND (Bottom) w10: v1(4595,3140) 4709.13,3140 R35.1
LED_T_SIGNAL_L: R12.1 U2.PB31 | length 2852.4
  MGND w10: U2.PB31 3027.95,3745 4855,3745 5080,3520 v1(5080,3145)
  MGND (Bottom) w10: v1(5080,3145) 5175.87,3145 R12.1
LED_T_SIGNAL_R: R13.1 U2.PB30 | length 3714.5
  MGND w10: U2.PB30 3022.95,3850 5735,3850 6030,3555 v1(6030,3140)
  Vcc w10: U2.PB30 U2.PB30@2967.05,3905.91
  MGND (Bottom) w10: v1(6030,3140) 6114.13,3140 R13.1
MGND: "Fuse Blown.2" "J1 POWER.1" C1.2 C2.2 C3.1 C4.1 C5.1 C66.1 D2.4 D3.4 D4.4 D5.4 D6.4 D7.4 D8.4 D9.4 D10.4 D11.4 D12.4 D13.4 D14.4 J2.4 J2.5 J2.6 J3.4 J3.5 J3.6 J4.4 J4.5 J4.6 J5.4 J5.5 J5.6 MGND.1 Q1.1 Q6.2 Q7.2 Q8.2 Q11.2 Q12.2 Q15.2 Q16.2 Q18.2 R3.1 R14.1 R15.1 R16.1 R23.1 R24.1 R31.1 R32.1 R36.1 R37.1 R38.1 R39.1 R40.1 R41.1 R42.1 R43.1 R44.1 S1.4 U1.3 U1.7 U1.8 U1.9 U2.GND | length 1520
  Top Layer w10: C1.2@1490,3448.12 C1.2 ; C1.2@1520,3460 C1.2@1523.12,3463.12 ; C3.1@1547.44,3045 C3.1 ; U1.7 U1.7@1730,2047.76 ; C5.1 2900.53,4505 v1(2995,4505) ; C66.1 2900.53,4725 v1(2995,4725) ; S1.4 3146.22,1600 v1(3265,1600)
  Top Layer w50: v1(1485,3040) C3.1@1549.09,3040 ; v1(1485,3160) C4.1@1545,3160 ; C2.2 v1(1501.88,3367.5) C1.2 ; 1573.9,2335 1530,2291.1 U1.9 U1.8 U1.7 ; v1(1630,1480) U1.3 ; v1(1910,3480) D2.4 ; R3.1 2109.37,1750.63 v1(2110,1750)
  other v1: 1530,2220 1140,4050 1240,4050 1363.33,4050 1140,4165 1251.67,4165 1363.33,4165 1475,4165
Net12V_1: "12V Crit.1" D2.3 FB1.1 Q1.3 | length 777.2
  Top Layer w10: 1240,3880 1538.03,3880 Q1.3
  Top Layer w50: Q1.3@1538.03,3880 1538.03,3741.97 1610.35,3669.65 1610.35,3619.65 FB1.1 D2.3
NetC1_1: C1.1 C2.1 C3.2 C4.2 F1.1 F1.2 FB1.2 Q2.2 | length 689.1
  Top Layer w10: FB1.2 1515.87,3600.35 FB1.2@1535.87,3580.35 ; C3.2@1603.7,3043.86 C3.2 ; 1618.12,3415 1618.12,3421.94 ; F1.1 1730,2803.86 ; Q2.2@1831.5,2532.4 Q2.2
  Top Layer w50: FB1.2@1515.87,3600.35 1515.87,3569.2 C1.1@1618.12,3466.94 ; 1629.45,2904.41 1730,2803.86 ; F1.1 1730,2633.9 Q2.2@1831.5,2532.4
NetD1_1: D1.1 U1.4 U1.5 | length 545.2
  Top Layer w50: U1.4 U1.5 2172.17,1595 D1.1
NetD3_3: D3.3 F4.3 F4.4 J2.3 | length 1034.7
  Top Layer w70: J2.3 5184.88,4284.53 F4.3
  MGND (Bottom) w70: F4.3 F4.4 D3.3
NetD4_3: D4.3 F2.3 F2.4 J2.1 | length 980.1
  Top Layer w70: F2.4 4356.93,4416.34 J2.1
  MGND (Bottom) w70: F2.3 F2.4 D4.3
NetD5_3: D5.3 F3.1 F3.2 J2.2 | length 1013.5
  Top Layer w70: F3.2 4704.45,3942.94 4602.5,4044.89 4602.5,4425.32 4705,4527.82 J2.2
  MGND (Bottom) w70: F3.2 F3.1 D5.3
NetD6_3: D6.3 F7.3 F7.4 J3.3 | length 1081.8
  Top Layer w70: J3.3 6603.07,4175.75 F7.3
  MGND (Bottom) w70: F7.3 F7.4 D6.3
NetD7_3: D7.3 F5.3 F5.4 J3.1 | length 1024.8
  Top Layer w70: J3.1 5682.5,4442.5 5682.5,4057.03 F5.4
  MGND (Bottom) w70: F5.3 F5.4 D7.3
NetD8_3: D8.3 F6.1 F6.2 J3.2 | length 978.5
  Top Layer w70: J3.2 6009.41,4532.82 6117.17,4425.07 F6.2
  MGND (Bottom) w70: F6.2 F6.1 D8.3
NetD9_3: D9.3 F10.3 F10.4 J4.3 | length 937
  Top Layer w70: F10.3 4386.93,1626.69 4288.68,1528.44 4288.68,1219.68 4391.18,1117.18 J4.3
  MGND (Bottom) w70: F10.4 F10.3 D9.3
NetD10_3: D10.3 F8.3 F8.4 J4.1 | length 990.1
  Top Layer w70: J4.1 5193.07,1458.07 F8.4
  MGND (Bottom) w70: F8.4 F8.3 D10.3
NetD11_3: D11.3 F9.1 F9.2 J4.2 | length 888.4
  Top Layer w70: J4.2 4615.59,1117.18 4723.07,1224.66 F9.1
  MGND (Bottom) w70: F9.1 F9.2 D11.3
NetD12_3: D12.3 F13.3 F13.4 J5.3 | length 914.1
  Top Layer w70: F13.4 5663.07,1616.69 5608.09,1561.71 5608.09,1214.68 5710.59,1112.18 J5.3
  MGND (Bottom) w70: F13.4 F13.3 D12.3
NetD13_3: D13.3 F11.3 F11.4 J5.1 | length 1032.6
  Top Layer w70: J5.1 6600.65,1541.24 6600.65,1617.69 F11.4
  MGND (Bottom) w70: F11.4 F11.3 D13.3
NetD14_3: D14.3 F12.1 F12.2 J5.2 | length 930.9
  Top Layer w70: J5.2 6045,1210 6045,1532.05 F12.1
  MGND (Bottom) w70: F12.1 F12.2 D14.3
NetFault1_1: "Fuse Blown.1" R1.2 | length 162.2
  Top Layer w10: 1430.87,2340.24 1436.1,2335
  Top Layer w50: 1430.87,2340.24 R1.2
NetJ1_2: "J1 POWER.2" Q1.4 | length 815.6
  Top Layer w10: Q1.4 Q1.4@1818.39,3998.39
  Top Layer w150: 1750,4550 1830.45,4550 1960,4420.45 1960,4140 1842.95,4022.95 1842.95,4004.25 1822.9,3984.2 Q1.4@1804.2,3984.2
NetQ2_3: Q2.3 R1.1 | length 266.7
  Top Layer w10: R1.1 1539.13,2480.24 1552.83,2466.54 1557.16,2466.54 1558.69,2465
  Top Layer w50: R1.1 Q2.3
NetQ3_1: Q3.1 R8.2 | length 326.8
  Top Layer w10: Q3.1@4210.24,2935.61 4210.24,2904.11 4229.84,2884.51 4269.67,2884.51 4279.18,2875 v1(4290,2875) ; Q3.1@4210.24,2938.03 Q3.1@4217.2,2945
  MGND (Bottom) w10: R8.2@4245,3050 4245,3035.24 4290,2990.24 v1(4290,2875)
NetQ4_1: Q4.1 R9.2 | length 300
  Top Layer w10: Q4.1@5164.63,2940 5160.24,2935.61 5160.24,2904.11 5179.84,2884.51 5209.67,2884.51 5219.18,2875 v1(5230,2875)
  MGND (Bottom) w10: R9.2@5206.18,3045.31 5205.87,3045 5219.57,3031.3 5219.57,2961.26 5230,2950.82 v1(5230,2875)
NetQ5_1: Q5.1 R10.2 | length 267.2
  Top Layer w10: Q5.1 6095.24,2903.89 6114.84,2884.28 6128.98,2884.28 6130.85,2882.42 6155.44,2882.42 v1@6167.63,2870.24
  MGND (Bottom) w10: R10.2 6145.43,3016.3 6145.43,2960.39 6160,2945.82 v1(6160,2875)
NetQ6_1: Q6.1 R11.2 R37.2 | length 216.4
  MGND (Bottom) w10: R37.2@4125,3253.5 4240.63,3253.5 4245,3249.13 4332.83,3249.13 Q6.1@4337.6,3244.37
NetQ6_3: Q6.3 R5.1 R8.1 | length 257.9
  MGND (Bottom) w10: R8.1 4481.34,3030 R5.1 ; R8.1@4353.27,3050 4366.97,3063.7 4366.97,3111.67 4375,3119.7 Q6.3@4375,3165.63
NetQ7_1: Q7.1 R12.2 R38.2 | length 191.2
  MGND (Bottom) w10: R38.2 5179.37,3248.5 R12.2 ; R12.2@5180,3233.27 5181.73,3235 Q7.1@5270.2,3235
NetQ7_3: Q7.3 R6.1 R9.1 | length 265.6
  MGND (Bottom) w10: Q7.3 5314.13,3164.84 5314.13,3045 5327.8,3031.34 R6.1@5445,3031.34
NetQ8_1: Q8.1 R13.2 R39.2 | length 209.9
  MGND (Bottom) w10: R39.2@6000,3253.5 6110.63,3253.5 R13.2 ; 6115,3228.27 6116.1,3229.37 6207.6,3229.37
NetQ8_3: Q8.3 R7.1 R10.1 | length 280
  MGND (Bottom) w10: Q8.3 6240,3166.38 R10.1 6243.66,3026.34 R7.1
NetQ9_1: Q9.1 R19.2 | length 207.2
  Top Layer w10: v1@4305,2610 4394.15,2610 Q9.1
  MGND (Bottom) w10: R19.2@4255.87,2520 4255.87,2572.57 4270.76,2587.46 4271.63,2587.46 4294.18,2610 v1@4305,2610
  other v1: 4305,2600
NetQ10_1: Q10.1 R20.2 | length 205.8
  Top Layer w10: v1(4780,2600) 4862.19,2600 Q10.1
  MGND (Bottom) w10: R20.2@4720.87,2515 4720.87,2563.46 4735.31,2577.91 4747.08,2577.91 4769.18,2600 v1(4780,2600)
NetQ11_1: Q11.1 R21.2 R40.2 | length 196.6
  MGND (Bottom) w10: Q11.1@4294.8,2300 4376.01,2300 4379.52,2296.5 R40.2
NetQ11_3: Q11.3 R18.1 R19.1 | length 346.8
  MGND (Bottom) w10: Q11.3 4257.4,2415.71 4333.23,2491.54 4350.43,2491.54 4364.13,2505.24 4364.13,2520 4507.32,2520 R18.1@4510,2517.32
NetQ12_1: Q12.1 R22.2 R41.2 | length 195.1
  MGND (Bottom) w10: Q12.1@4765,2296.73 R22.2 4845.24,2296.5 R41.2
NetQ12_3: Q12.3 R17.1 R20.1 | length 333.2
  MGND (Bottom) w10: Q12.3 4725,2377.09 4725,2415 4791.54,2481.54 4815.43,2481.54 4829.13,2495.24 R20.1 ; R20.1@4835.47,2508.66 R17.1@4975,2508.66
NetQ13_1: Q13.1 R27.2 | length 214.1
  Top Layer w10: v1@6200,2605 6282.8,2605 Q13.1
  MGND (Bottom) w10: R27.2 6136.73,2524.76 6162.35,2550.38 6162.35,2577.35 6190,2605 v1@6200,2605
  other v1: 6200,2600
NetQ14_1: Q14.1 R28.2 | length 211.3
  Top Layer w10: v1@5265,2605 5350.22,2605 Q14.1
  MGND (Bottom) w10: R28.2@5215.87,2515 5215.87,2569.14 5229.93,2583.2 5232.38,2583.2 5254.18,2605 v1@5265,2605
  other v1: 5265,2600
NetQ15_1: Q15.1 R29.2 R42.2 | length 195.1
  MGND (Bottom) w10: Q15.1@6185,2305.87 R29.2@6265,2305.87 ; R29.2 6265.24,2296.5 R42.2
NetQ15_3: Q15.3 R25.1 R27.1 | length 332.9
  MGND (Bottom) w10: Q15.3 6150,2411.34 6220.2,2481.54 6231.3,2481.54 6245,2495.24 R27.1 6391.34,2510 R25.1@6395,2513.66
NetQ16_1: Q16.1 R30.2 R43.2 | length 155.1
  MGND (Bottom) w10: R30.2 5345.24,2296.5 R43.2
NetQ16_3: Q16.3 R26.1 R28.1 | length 316.8
  MGND (Bottom) w10: Q16.3 5227.4,2398.74 5310.2,2481.54 5310.43,2481.54 5324.13,2495.24 R28.1 5324.13,2515 5336.81,2502.32 R26.1@5455,2502.32
NetQ17_1: Q17.1 R34.2 | length 284.4
  Top Layer w10: Q17.1@4685.24,2938.03 4689.98,2933.28 4691.72,2933.28 v1(4750,2875)
  MGND (Bottom) w10: R34.2@4725,3055 4725,3040.24 4738.7,3026.54 4744.14,3026.54 4750,3020.68 v1(4750,2875)
NetQ18_1: Q18.1 R35.2 R44.2 | length 203.3
  MGND (Bottom) w10: R44.2 4709.37,3248.5 R35.2 ; R35.2@4710,3244.13 4710.98,3245.12 Q18.1@4802.6,3245.12
NetQ18_3: Q18.3 R33.1 R34.1 | length 286.7
  MGND (Bottom) w10: R34.1 4976.34,3030 R33.1 ; Q18.3 4833.27,3164.65 4833.27,3055 R34.1@4846.93,3041.34
NetR2_1: R2.1 R3.2 U1.6 | length 381
  Top Layer w10: U1.6@1830,2024.13 U1.6 U1.6@1840.94,2025 ; R3.2 R3.2@2030.63,1839.92
  Top Layer w50: U1.6@1840.94,2025 R2.1 1986.26,1884.29 R3.2@2030.63,1839.92
SPARE_B: F8.1 F8.2 Q14.4 R32.2 SPARE_B.1 | length 242.5
  Top Layer w70: v1(5030,2009.88) F8.2
  MGND (Bottom) w70: v1(5205,2165) 5277.32,2165 R32.2
SPARE_B_CTRL: R30.1 U2.PA20 | length 2155.7
  MGND w10: U2.PA20 3960,3100 4255,2805 5415,2805 5495,2725 5495,2430 v1(5470,2405)
  MGND (Bottom) w10: R30.1 v1(5470,2405)
STROBE: F9.3 F9.4 Q10.4 R24.2 STROBE.1 | length 216.7
  Top Layer w70: v1(4570,2009.88) F9.3
  MGND (Bottom) w70: v1(4700,2170) R24.2
STROBE_CTRL: R22.1 U2.PB17 | length 1582.1
  MGND w10: U2.PB17 3962.07,2800 3980.86,2781.21 4957.93,2781.21 5025,2714.14 5025,2435 v1(4995,2405)
  MGND (Bottom) w10: R22.1 v1(4995,2405)
TURN_SIGNAL_L: F4.1 F4.2 F5.1 F5.2 F13.1 F13.2 Q4.4 R15.2 TURN_L.1 | length 2603.9
  Top Layer w70: F4.2 F5.1 F5.2 ; v1(5505,2009.88) F13.2 F13.1 F13.1@5798.29,2011.24 ; F5.2@5798.29,3548.76 F5.2 ; v1(5960,3440) 5852.31,3547.69 5802.07,3547.69 F5.2
  MGND (Bottom) w70: R15.2 v1(5318.74,3369.45) ; F13.1@5798.29,2011.24 F5.2@5798.29,3548.76
TURN_SIGNAL_R: F6.3 F6.4 F7.1 F7.2 F11.1 F11.2 Q5.4 R16.2 TURN_R.1 | length 2685.6
  Top Layer w70: 6235,3440 v1(6425,3440) 6487.95,3440 F7.1 ; v1(6430,2009.88) F11.2 F11.1 ; F7.1@6603.07,3550.12 6728.5,3550.12 6733.5,3555.12 F7.2 6739.35,3552.69 6782.31,3552.69 v1(6895,3440)
  MGND (Bottom) w70: R16.2 v1(6251.02,3369.45) ; F11.1 F7.2
VCC: D1.2 R2.2 S1.6 U2.VDD VCC.1 | length 346.4
  Top Layer w10: R2.2@2043.74,2035 R2.2@2043.74,2044.84 ; R2.2 R2.2@2054.05,2022.17 ; D1.2@2245,2012.68 D1.2 ; S1.6 3144.37,1815 v1(3265,1815)
  Top Layer w50: R2.2@2054.05,2022.17 D1.2
  other v1: 1240,3675
pads on no net: "CAN 1.3" "CAN 2.3" S1.1 S1.2 S1.3 U1.10 U2.PA00 U2.PA01 U2.PA02 U2.PA03 U2.PA04 U2.PA05 U2.PA06 U2.PA07 U2.PA08 U2.PA09 U2.PA10 U2.PA11 U2.PA12 U2.PA13 U2.PA14 U2.PA15 U2.PA16 U2.PA17 U2.PA18 U2.PA24 U2.PA25 U2.PA27 U2.PA28 U2.PA30 U2.PA31 U2.PB00 U2.PB01 U2.PB02 U2.PB03 U2.PB04 U2.PB05 U2.PB06 U2.PB07 U2.PB08 U2.PB09 U2.PB10 U2.PB11 U2.PB12 U2.PB13 U2.PB14 U2.PB15
copper on no net:
  other v2: 5710.2,812.6 6159.41,812.6 4390.79,817.6 4840,817.6 4480.59,4827.4 4929.8,4827.4 5785,4832.4 6234.21,4832.4 1750,4837.4
  other v3: 1300,770 6700,770 1300,4880 6700,4880

## Polygon pours and split planes (outlines as drawn)
NetJ1_2 on Top Layer "NETJ1_2_L01_P007" (solid, pour order 7): 1917.76,3860.94 1630.94,3860.94 1630.94,4629.06 1635,4625 1920,4625
NetJ1_2 on Top Layer "NETJ1_2_L01_P006" (solid, pour order 6): 1630,3860 1630.94,3860.94 1917.76,3860.94 1917.76,4637.24 1915,4640 1630,4640
NetJ1_2 on Top Layer "NETJ1_2_L01_P005" (solid, pour order 5): 1630,3860 1940,3860 1940,4640 1630,4640
NetJ1_2 on Top Layer "NETJ1_2_L01_P004" (solid, pour order 4): 1630,4630 1945,4630 1945,3800 1630,3800
+12V on Top Layer "+12V_L01_P000" (solid, pour order 0): 1000,5180 1000,470 7000,470 7000,5180
MGND on MGND (Bottom) "MGND_L04_P001" (solid, pour order 1): 1000,5180 1000,470 7000,470 7000,5180
MGND on MGND "MGND_L02_P002" (solid, pour order 2): 1005,5185 995,5175 995,470 7000,470 7000,5180
VCC on Vcc "VCC_L03_P003" (solid, pour order 3): 1000,5180 1000,470 7000,470 7000,5180

## Other copper
Top Layer:
  rectangle net MGND: 1095,3945 1595,4230
  rectangle net NetC1_1: 1585,2655 1820,3510
  rectangle net CENTER_BRAKE: 6090,1935 6305,2225
  rectangle net SPARE_B: 5160,1945 5375,2225
  rectangle net STROBE: 4665,1925 4885,2225
  rectangle net BRAKE: 4195,1945 4415,2235
  rectangle net TURN_SIGNAL_R: 6075,3295 6295,3610
  rectangle net HORN: 4665,3045 4885,3615
  rectangle net TURN_SIGNAL_L: 5145,3050 5360,3630
  rectangle net HEADLIGHT: 4190,3050 4410,3605

## Silkscreen, mask and mechanical layers (free items; w line width, h text height)
Top Overlay:
  drawing of 83 lines, arcs and shapes, not listed
  text "J2 PINS" at 3695,4895 h60
  text "J3 PINS" at 5130,4880 h60
  text "1:HEADLIGHT" at 3695,4775 h60
  text "1:L_TURN" at 5140,4770 h60
  text "2:HORN" at 3695,4660 h60
  text "2:R_TURN" at 5140,4655 h60
  text "3:L_TURN" at 3695,4540 h60
  text "3:R_TURN" at 5140,4535 h60
  text "DNI" at 3405,4500 h60
  text "TURN_L" at 5455,3420 h60 r270
  text "Front" at 2890,1905 h60
  text "Rear" at 2910,1460 h60
  text "J4 PINS" at 3750,1060 h60
  text "J5 PINS" at 5035,1060 h60
  text "1:SPARE_B" at 3750,940 h60
  text "1:R_TURN" at 5035,940 h60
  text "2:CTR_BRK" at 5035,820 h60
  text "2:STROBE" at 3750,810 h60
  text "3:L_TURN" at 5035,700 h60
  text "3:BRAKE" at 3750,690 h60
  text "Hal Rev 6 / Jake Hafele / Thomas Gaul / Ben Palkovic / Henry Chamberlain" at 2660,685 h60
Mechanical 1:
  lines w10: 6693.94,5180.12 6479.88,5180.12 1305.46,5180.12 ccw(c1300,4880) 999.83,4880 999.83,770 ccw(c1300,770) 1300,469.83 6704.83,469.83 ; 6694.12,5179.94 cw(c6700,4880) 7000,4880 7000,765 cw(c6705.01,765) 6705.01,470.01

## Text inside footprints (layer, text, board x,y; h text height)
U2: Top Overlay "Compute S+" at 2487.44,2838.19 h196.85 r0.33; Top Overlay "1" at 2257.91,2351.57 h60